# KiCad board poly_kb_molecule_4x4.kicad_pcb (continued)
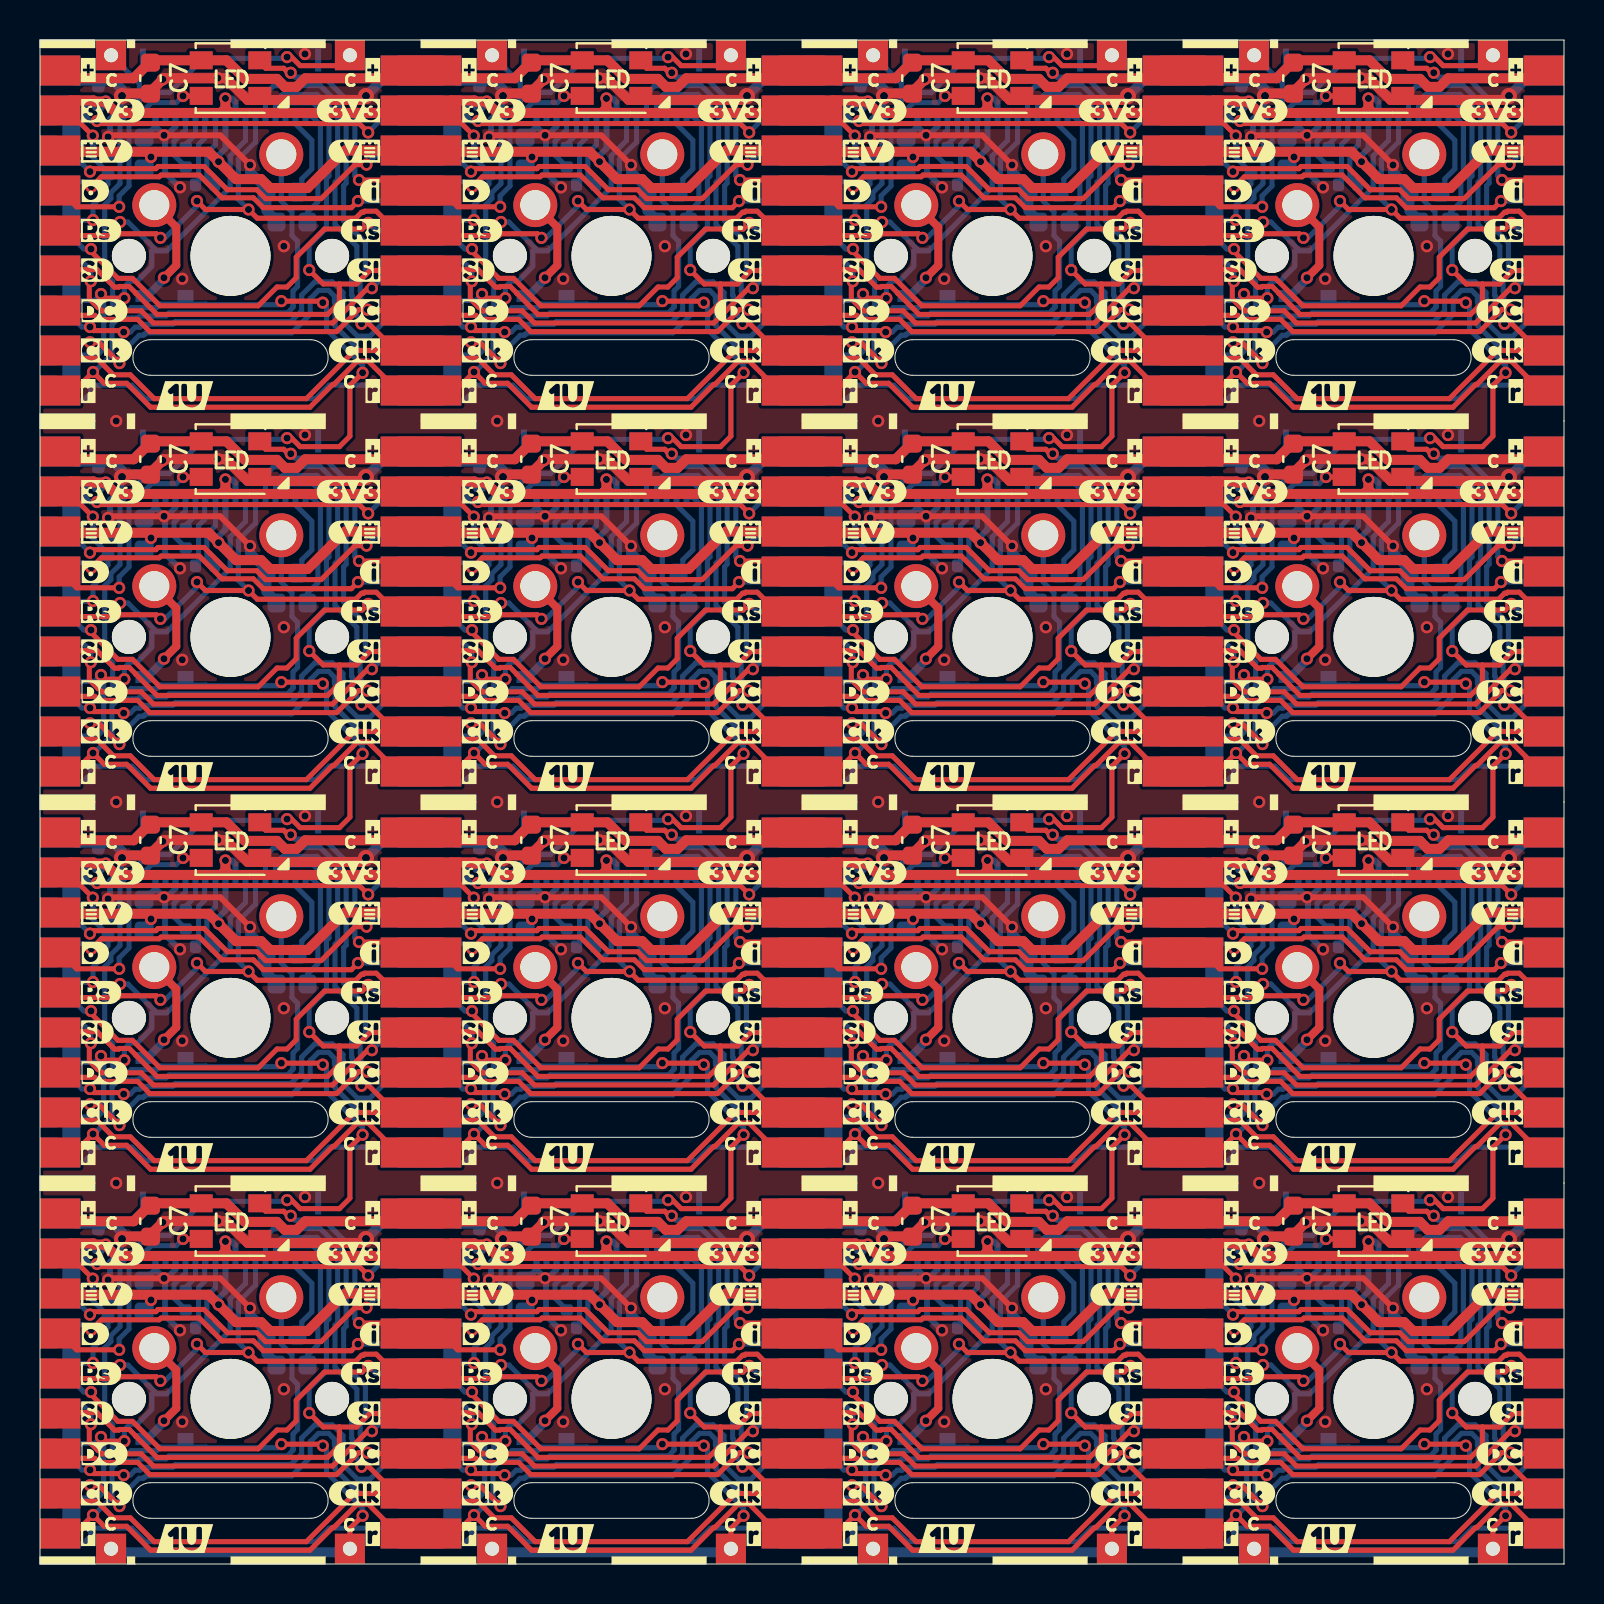
[diagram p0: board, top side]
## Routing (per net, layer and track width the routed paths; a pad name or vN(x,y) marks a point on that pad's centre or on a via; arc(x,y) is an arc through that point) (continued)
CS8: length 305.6
  Bottom w0.254: 20.32,58.68 20.83,58.17 21.21,58.17 21.58,58.53 21.58,58.94 23.64,58.94 24.31,58.27 32.84,58.27 33.51,58.94 36.56,58.94 36.83,58.68 ; 74.93,20.58 74.66,20.84 71.61,20.84 70.94,20.17 62.41,20.17 61.74,20.84 59.68,20.84 59.68,20.43 59.31,20.07 58.93,20.07 58.42,20.58 ; 17.78,39.63 17.51,39.89 14.46,39.89 13.79,39.22 5.26,39.22 4.59,39.89 2.53,39.89 2.53,39.48 2.16,39.12 1.78,39.12 1.27,39.63 ; 58.42,58.68 58.93,58.17 59.31,58.17 59.68,58.53 59.68,58.94 61.74,58.94 62.41,58.27 70.94,58.27 71.61,58.94 74.66,58.94 74.93,58.68 ; 55.88,58.68 55.61,58.94 52.56,58.94 51.89,58.27 43.36,58.27 42.69,58.94 40.63,58.94 40.63,58.53 40.26,58.17 39.88,58.17 39.37,58.68 ; 1.27,58.68 1.78,58.17 2.16,58.17 2.53,58.53 2.53,58.94 4.59,58.94 5.26,58.27 13.79,58.27 14.46,58.94 17.51,58.94 17.78,58.68 ; 20.32,20.58 20.83,20.07 21.21,20.07 21.58,20.43 21.58,20.84 23.64,20.84 24.31,20.17 32.84,20.17 33.51,20.84 36.56,20.84 36.83,20.58 ; 1.27,1.53 1.78,1.02 2.16,1.02 2.53,1.38 2.53,1.79 4.59,1.79 5.26,1.12 13.79,1.12 14.46,1.79 17.51,1.79 17.78,1.53 ; 20.32,39.63 20.83,39.12 21.21,39.12 21.58,39.48 21.58,39.89 23.64,39.89 24.31,39.22 32.84,39.22 33.51,39.89 36.56,39.89 36.83,39.63 ; 58.42,1.53 58.93,1.02 59.31,1.02 59.68,1.38 59.68,1.79 61.74,1.79 62.41,1.12 70.94,1.12 71.61,1.79 74.66,1.79 74.93,1.53 ; 55.88,1.53 55.61,1.79 52.56,1.79 51.89,1.12 43.36,1.12 42.69,1.79 40.63,1.79 40.63,1.38 40.26,1.02 39.88,1.02 39.37,1.53 ; 74.93,39.63 74.66,39.89 71.61,39.89 70.94,39.22 62.41,39.22 61.74,39.89 59.68,39.89 59.68,39.48 59.31,39.12 58.93,39.12 58.42,39.63 ; 17.78,20.58 17.51,20.84 14.46,20.84 13.79,20.17 5.26,20.17 4.59,20.84 2.53,20.84 2.53,20.43 2.16,20.07 1.78,20.07 1.27,20.58 ; 36.83,1.53 36.56,1.79 33.51,1.79 32.84,1.12 24.31,1.12 23.64,1.79 21.58,1.79 21.58,1.38 21.21,1.02 20.83,1.02 20.32,1.53 ; 55.88,39.63 55.61,39.89 52.56,39.89 51.89,39.22 43.36,39.22 42.69,39.89 40.63,39.89 40.63,39.48 40.26,39.12 39.88,39.12 39.37,39.63 ; 39.37,20.58 39.88,20.07 40.26,20.07 40.63,20.43 40.63,20.84 42.69,20.84 43.36,20.17 51.89,20.17 52.56,20.84 55.61,20.84 55.88,20.58
  Bottom w1.5: J5#16.9 J6#15.9 ; J6#6.9 J5#12.9 ; J6#13.9 J5#4.9 ; J5#7.9 J6#11.9 ; J6#16.9 J5#8.9 ; J6#14.9 J5#6.9 ; J6#10.9 J5#10.9 ; J6.9 J5#13.9 ; J6#4.9 J5#5.9 ; J5#15.9 J6#2.9 ; J6#9.9 J5#11.9 ; J5#2.9 J6#3.9
Net-(C1-Pad1): length 96.8
  Bottom w0.254: C1#6.1 32.42,10.44 32.94,10.96 32.94,12.3 33.07,12.43 33.07,14.81 32.64,15.24 J1#2.16 ; C1#12.1 70.53,67.59 71.04,68.11 71.04,69.45 71.17,69.58 71.17,71.96 70.74,72.39 J1#9.16 ; C1#3.1 32.42,48.54 32.94,49.06 32.94,50.4 33.07,50.53 33.07,52.91 32.64,53.34 J1#12.16 ; C1#14.1 13.38,29.49 13.89,30.01 13.89,31.35 14.02,31.48 14.02,33.86 13.59,34.29 J1#6.16 ; C1#13.1 13.38,10.44 13.89,10.96 13.89,12.3 14.02,12.43 14.02,14.81 13.59,15.24 J1#5.16 ; J1#14.16 51.69,15.24 52.12,14.81 52.12,12.43 51.99,12.3 51.99,10.96 51.47,10.44 C1#2.1 ; J1#10.16 32.64,34.29 33.07,33.86 33.07,31.48 32.94,31.35 32.94,30.01 32.42,29.49 C1#8.1 ; J1#15.16 70.74,34.29 71.17,33.86 71.17,31.48 71.04,31.35 71.04,30.01 70.53,29.49 C1#7.1 ; C1.1 13.38,67.59 13.89,68.11 13.89,69.45 14.02,69.58 14.02,71.96 13.59,72.39 J1.16 ; C1#9.1 32.42,67.59 32.94,68.11 32.94,69.45 33.07,69.58 33.07,71.96 32.64,72.39 J1#11.16 ; J1#3.16 70.74,15.24 71.17,14.81 71.17,12.43 71.04,12.3 71.04,10.96 70.53,10.44 C1#4.1 ; C1#16.1 51.47,67.59 51.99,68.11 51.99,69.45 52.12,69.58 52.12,71.96 51.69,72.39 J1#7.16 ; C1#5.1 13.38,48.54 13.89,49.06 13.89,50.4 14.02,50.53 14.02,52.91 13.59,53.34 J1#16.16 ; C1#15.1 51.47,48.54 51.99,49.06 51.99,50.4 52.12,50.53 52.12,52.91 51.69,53.34 J1#4.16 ; C1#11.1 51.47,29.49 51.99,30.01 51.99,31.35 52.12,31.48 52.12,33.86 51.69,34.29 J1#8.16 ; J1#13.16 70.74,53.34 71.17,52.91 71.17,50.53 71.04,50.4 71.04,49.06 70.53,48.54 C1#10.1
Net-(C4-Pad1): length 67.6
  Bottom w0.254: J1#14.15 50.88,14.85 51.69,14.04 51.69,12.6 51.19,12.11 51.19,11.56 ; J1#9.15 69.92,72 70.74,71.19 70.74,69.75 70.24,69.26 70.24,68.71 ; J1.15 12.77,72 13.59,71.19 13.59,69.75 13.09,69.26 13.09,68.71 ; J1#4.15 50.88,52.95 51.69,52.14 51.69,50.7 51.19,50.21 51.19,49.66 ; J1#15.15 69.92,33.9 70.74,33.09 70.74,31.65 70.24,31.16 70.24,30.61 ; 32.14,11.56 32.14,12.11 32.64,12.6 32.64,14.04 31.83,14.85 J1#2.15 ; J1#7.15 50.88,72 51.69,71.19 51.69,69.75 51.19,69.26 51.19,68.71 ; J1#5.15 12.77,14.85 13.59,14.04 13.59,12.6 13.09,12.11 13.09,11.56 ; J1#16.15 12.77,52.95 13.59,52.14 13.59,50.7 13.09,50.21 13.09,49.66 ; J1#13.15 69.92,52.95 70.74,52.14 70.74,50.7 70.24,50.21 70.24,49.66 ; 32.14,49.66 32.14,50.21 32.64,50.7 32.64,52.14 31.83,52.95 J1#12.15 ; J1#10.15 31.83,33.9 32.64,33.09 32.64,31.65 32.14,31.16 32.14,30.61 ; 32.14,68.71 32.14,69.26 32.64,69.75 32.64,71.19 31.83,72 J1#11.15 ; 51.19,30.61 51.19,31.16 51.69,31.65 51.69,33.09 50.88,33.9 J1#8.15 ; J1#6.15 12.77,33.9 13.59,33.09 13.59,31.65 13.09,31.16 13.09,30.61 ; 70.24,11.56 70.24,12.11 70.74,12.6 70.74,14.04 69.92,14.85 J1#3.15
Net-(C5-Pad1): length 48.3
  Bottom w0.254: C5#9.1 25.75,51.39 25.75,52.08 26.32,52.65 J1#12.4 ; C5#13.1 25.75,32.34 25.75,33.03 26.32,33.6 J1#10.4 ; J1#3.4 64.42,14.55 63.85,13.98 63.85,13.29 C5#4.1 ; C5#10.1 6.7,32.34 6.7,33.03 7.27,33.6 J1#6.4 ; C5#16.1 44.8,13.29 44.8,13.98 45.38,14.55 J1#14.4 ; C5#5.1 44.8,51.39 44.8,52.08 45.38,52.65 J1#4.4 ; C5#8.1 44.8,70.44 44.8,71.13 45.38,71.7 J1#7.4 ; C5#3.1 25.75,70.44 25.75,71.13 26.32,71.7 J1#11.4 ; C5.1 6.7,70.44 6.7,71.13 7.27,71.7 J1.4 ; J1#16.4 7.27,52.65 6.7,52.08 6.7,51.39 C5#7.1 ; J1#9.4 64.42,71.7 63.85,71.13 63.85,70.44 C5#11.1 ; J1#13.4 64.42,52.65 63.85,52.08 63.85,51.39 C5#2.1 ; J1#2.4 26.32,14.55 25.75,13.98 25.75,13.29 C5#12.1 ; J1#5.4 7.27,14.55 6.7,13.98 6.7,13.29 C5#6.1 ; J1#15.4 64.42,33.6 63.85,33.03 63.85,32.34 C5#14.1 ; J1#8.4 45.38,33.6 44.8,33.03 44.8,32.34 C5#15.1
Net-(C5-Pad2): length 28.4
  Bottom w0.254: C5#16.2 45.39,13.85 45.88,14.33 J1#14.5 ; J1#11.5 26.82,71.48 26.34,71 C5#3.2 ; C5#7.2 7.29,51.95 7.77,52.43 J1#16.5 ; C5#11.2 64.44,71 64.92,71.48 J1#9.5 ; J1#12.5 26.82,52.43 26.34,51.95 C5#9.2 ; C5.2 7.29,71 7.77,71.48 J1.5 ; C5#15.2 45.39,32.9 45.88,33.38 J1#8.5 ; J1#7.5 45.88,71.48 45.39,71 C5#8.2 ; J1#4.5 45.88,52.43 45.39,51.95 C5#5.2 ; C5#4.2 64.44,13.85 64.92,14.33 J1#3.5 ; C5#13.2 26.34,32.9 26.82,33.38 J1#10.5 ; J1#6.5 7.77,33.38 7.29,32.9 C5#10.2 ; J1#5.5 7.77,14.33 7.29,13.85 C5#6.2 ; J1#2.5 26.82,14.33 26.34,13.85 C5#12.2 ; J1#15.5 64.92,33.38 64.44,32.9 C5#14.2 ; C5#2.2 64.44,51.95 64.92,52.43 J1#13.5
Net-(C6-Pad1): length 58.2
  Bottom w0.254: J1#11.6 27.29,72.35 27.29,71.28 26.98,70.97 26.98,69.11 C6#4.1 ; C6#13.1 46.03,50.06 46.03,51.92 46.34,52.23 46.34,53.3 J1#4.6 ; J1#9.6 65.39,72.35 65.39,71.28 65.08,70.97 65.08,69.11 C6#14.1 ; J1#13.6 65.39,53.3 65.39,52.23 65.08,51.92 65.08,50.06 C6#12.1 ; C6#3.1 46.03,69.11 46.03,70.97 46.34,71.28 46.34,72.35 J1#7.6 ; J1#10.6 27.29,34.25 27.29,33.18 26.98,32.87 26.98,31.01 C6#16.1 ; J1#16.6 8.24,53.3 8.24,52.23 7.93,51.92 7.93,50.06 C6#2.1 ; J1.6 8.24,72.35 8.24,71.28 7.93,70.97 7.93,69.11 C6.1 ; C6#9.1 7.93,31.01 7.93,32.87 8.24,33.18 8.24,34.25 J1#6.6 ; C6#6.1 65.08,11.96 65.08,13.82 65.39,14.13 65.39,15.2 J1#3.6 ; J1#12.6 27.29,53.3 27.29,52.23 26.98,51.92 26.98,50.06 C6#11.1 ; J1#14.6 46.34,15.2 46.34,14.13 46.03,13.82 46.03,11.96 C6#7.1 ; C6#8.1 7.93,11.96 7.93,13.82 8.24,14.13 8.24,15.2 J1#5.6 ; C6#15.1 26.98,11.96 26.98,13.82 27.29,14.13 27.29,15.2 J1#2.6 ; C6#10.1 65.08,31.01 65.08,32.87 65.39,33.18 65.39,34.25 J1#15.6 ; C6#5.1 46.03,31.01 46.03,32.87 46.34,33.18 46.34,34.25 J1#8.6
Net-(C6-Pad2): length 60.3
  Bottom w0.254: J1#9.7 65.92,70.97 65.49,70.54 65.49,69.35 C6#14.2 ; C6#10.2 65.49,31.25 65.49,32.44 65.92,32.87 J1#15.7 ; C6.2 8.34,69.35 8.34,70.54 8.77,70.97 J1.7 ; C6#12.2 65.49,50.3 65.49,51.49 65.92,51.92 J1#13.7 ; C6#3.2 46.44,69.35 46.44,70.54 46.88,70.97 J1#7.7 ; J1#10.7 27.83,32.87 27.39,32.44 27.39,31.25 C6#16.2 ; J1#16.7 8.77,51.92 8.34,51.49 8.34,50.3 C6#2.2 ; J1#11.7 27.83,70.97 27.39,70.54 27.39,69.35 C6#4.2 ; C6#5.2 46.44,31.25 46.44,32.44 46.88,32.87 J1#8.7 ; C6#8.2 8.34,12.2 8.34,13.39 8.77,13.82 J1#5.7 ; C6#7.2 46.44,12.2 46.44,13.39 46.88,13.82 J1#14.7 ; J1#4.7 46.88,51.92 46.44,51.49 46.44,50.3 C6#13.2 ; J1#12.7 27.83,51.92 27.39,51.49 27.39,50.3 C6#11.2 ; J1#6.7 8.77,32.87 8.34,32.44 8.34,31.25 C6#9.2 ; J1#3.7 65.92,13.82 65.49,13.39 65.49,12.2 C6#6.2 ; C6#15.2 27.39,12.2 27.39,13.39 27.83,13.82 J1#2.7
Net-(D1-Pad2): length 93.6
  Top w0.4: v1(63.35,64.31) 63.96,64.93 63.96,66.85 SW1#8.2 ; SW1#15.2 25.86,28.75 25.86,26.83 v1(25.25,26.21) ; SW1#12.2 63.96,47.8 63.96,45.88 v1(63.35,45.26) ; v1(63.35,26.21) 63.96,26.83 63.96,28.75 SW1#6.2 ; SW1.2 6.81,66.85 6.81,64.93 v1(6.2,64.31) ; SW1#7.2 25.86,47.8 25.86,45.88 v1(25.25,45.26) ; SW1#5.2 6.81,9.7 6.81,7.78 v1(6.2,7.16) ; v1(6.2,45.26) 6.81,45.88 6.81,47.8 SW1#2.2 ; v1(25.25,7.16) 25.86,7.78 25.86,9.7 SW1#4.2 ; SW1#14.2 44.91,47.8 44.91,45.88 v1(44.3,45.26) ; SW1#13.2 44.91,28.75 44.91,26.83 v1(44.3,26.21) ; SW1#16.2 44.91,66.85 44.91,64.93 v1(44.3,64.31) ; v1(44.3,7.16) 44.91,7.78 44.91,9.7 SW1#3.2 ; v1(63.35,7.16) 63.96,7.78 63.96,9.7 SW1#9.2 ; v1(25.25,64.31) 25.86,64.93 25.86,66.85 SW1#10.2 ; v1(6.2,26.21) 6.81,26.83 6.81,28.75 SW1#11.2
  Bottom w0.25: 62.27,63.37 62.48,63.37 ; 24.17,44.32 24.38,44.32 ; 5.12,25.27 5.33,25.27 ; 24.17,6.22 24.38,6.22 ; 43.22,44.32 43.43,44.32 ; 43.22,6.22 43.43,6.22 ; 24.17,63.37 24.38,63.37 ; 43.22,25.27 43.43,25.27 ; 62.27,25.27 62.48,25.27 ; 5.12,6.22 5.33,6.22 ; 5.12,44.32 5.33,44.32 ; 62.27,44.32 62.48,44.32 ; 43.22,63.37 43.43,63.37 ; 5.12,63.37 5.33,63.37 ; 24.17,25.27 24.38,25.27 ; 62.27,6.22 62.48,6.22
  Bottom w0.4: v1(63.35,26.21) 63.35,26.14 62.48,25.27 ; 43.43,63.37 44.3,64.24 v1(44.3,64.31) ; v1(63.35,45.26) 63.35,45.19 62.48,44.32 ; v1(25.25,7.16) 25.25,7.09 24.38,6.22 ; v1(44.3,45.26) 44.3,45.19 43.43,44.32 ; v1(6.2,7.16) 6.2,7.09 5.33,6.22 ; 24.38,63.37 25.25,64.24 v1(25.25,64.31) ; 62.48,6.22 63.35,7.09 v1(63.35,7.16) ; 43.43,25.27 44.3,26.14 v1(44.3,26.21) ; v1(6.2,26.21) 6.2,26.14 5.33,25.27 ; v1(25.25,45.26) 25.25,45.19 24.38,44.32 ; v1(6.2,64.31) 6.2,64.24 5.33,63.37 ; 62.48,63.37 63.35,64.24 v1(63.35,64.31) ; 24.38,25.27 25.25,26.14 v1(25.25,26.21) ; v1(44.3,7.16) 44.3,7.09 43.43,6.22 ; 5.33,44.32 6.2,45.19 v1(6.2,45.26)

## Copper pours and planes (outline as drawn; the poured copper is in the pictures)
/Keyboard/sheet605ED2EB/GND on Top: 82.65,-10.96 -14,-10.96 -14,109.44 82.65,109.44
/Keyboard/sheet605ED2EB/GND on Bottom: 87.25,-23.26 -7.65,-23.26 -7.65,103.09 87.25,103.09

## Text on the board
B.Silkscreen: C3 | by / thpoll | c | .1 | 8 | DispPort | 16 | 1 | 2 | 3 | 4 | 5 | 6 | 7 | CS | . | ATOM2 | POLYKB
User.Comments: JLCJLCJLCJLC | CUT OUT
F.Silkscreen: L | E | D | c
